# Allegro board C000PD020-3399PRO-DMEB-A-A01.brd (continued)
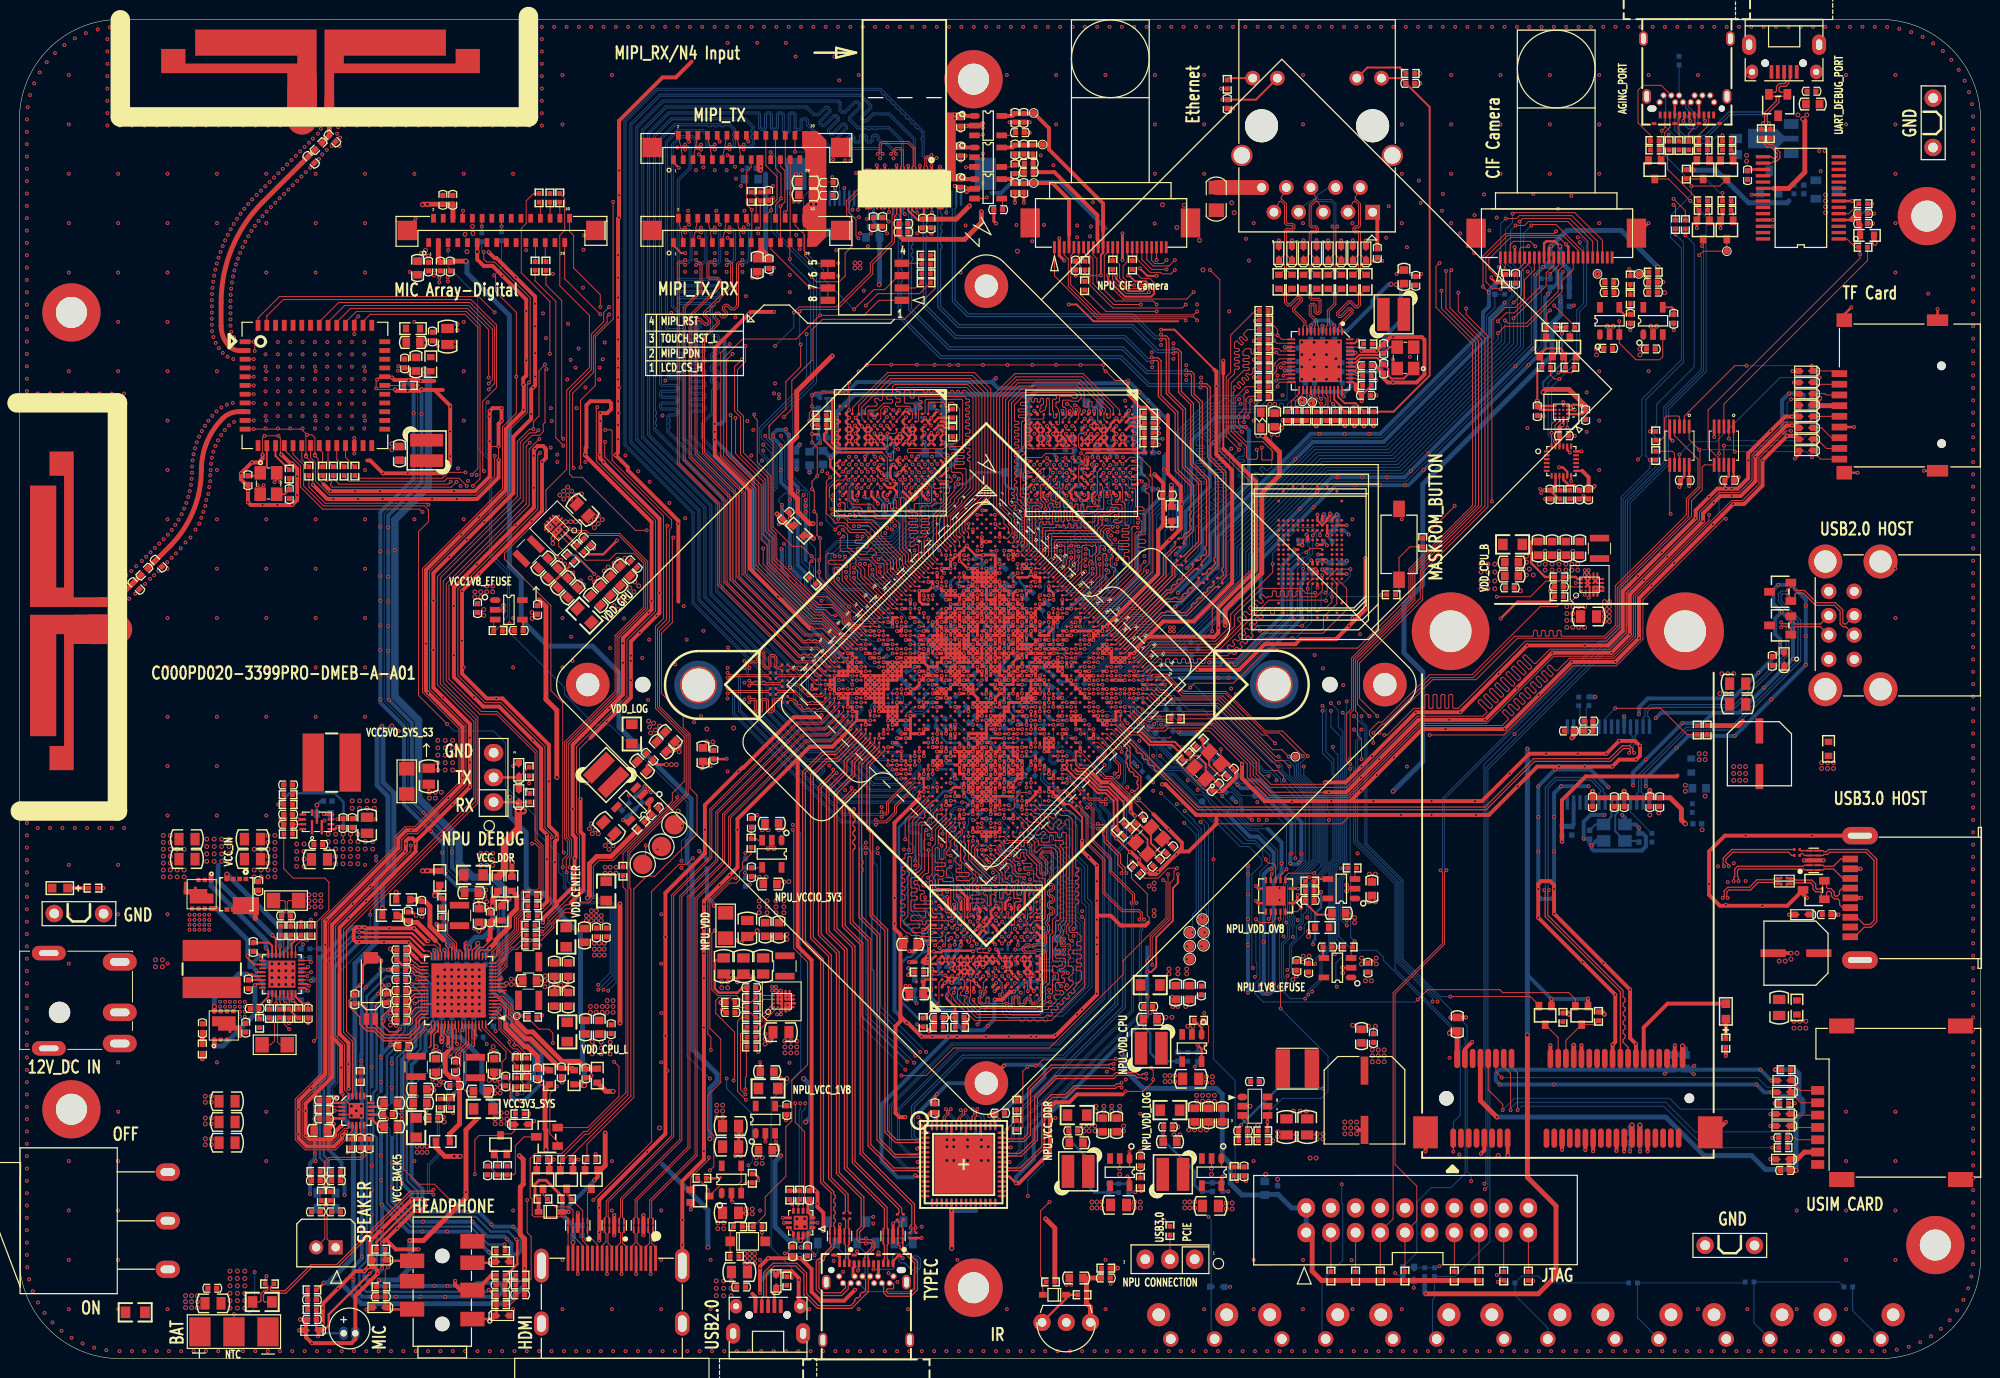
[diagram p0: board, top side]
## Placement (name value [footprint] x y rotation side) (continued)
R4102  10R  [R0402]  141.15 78.6 0 top
R4103  0R  [R0402]  144.4 83.98 90 top
R4600  22R  [R0402]  76.23 119.59 90 top
R4601  22R  [R0402]  75.31 119.59 270 top
R4700  33R  [R0402]  152.83 109.97 90 bottom
R4701  33R  [R0402]  156.59 110.68 90 bottom
R4702  10K  [R0402]  152.93 111.11 90 top
R4703  0R  [R0402]  168.12 111.8 0 top
R4704  0R  [R0402]  159.03 109.28 0 bottom
R4705  10K  [R0402]  165.75 109.03 90 top
R4706  15K  [R0402]  165.75 110.99 90 top
R4800  33R  [R0402]  114.53 112.53 90 top
R4801  33R  [R0402]  112.5 112.53 90 top
R4802  10K  [R0402]  109.65 112.48 90 top
R4804  0R  [R0402]  104.27 124.42 270 top
R4811  0R  [R0402]  109.6 110.4 270 top
R5102  0R  [R0402]  93.29 110.7 180 top
R5103  150K  [R0402]  93.29 111.62 180 top
R5104  0R  [R0402]  93.29 113.55 180 top
R5105  150K  [R0402]  93.29 112.63 180 top
R6105  22R  [R0402]  27.76 91.02 90 top
R6106  33R  [R0402]  33.41 91.32 270 top
R6107  33R  [R0402]  34.52 91.32 270 top
R6108  33R  [R0402]  32.3 91.32 270 top
R6109  33R  [R0402]  31.2 91.32 270 top
R6110  33R  [R0402]  29.78 91.32 270 top
R6111  33R  [R0402]  88.93 72.6 315 bottom
R6112  0.1R  [R0603]  40.5 105.99 0 top
R6113  0R  [R0402]  40.01 100.14 180 top
R6114  0.1R  [R0603]  42.33 102.32 90 top
R6500  0R  [R0603]  129.6 110.81 90 top
R6501  0R  [R0603]  130.95 110.81 90 top
R6502  0R  [R0603]  132.14 110.81 90 top
R6503  0R  [R0603]  133.49 110.81 90 top
R6504  0R  [R0603]  134.68 110.81 90 top
R6505  0R  [R0603]  136.03 110.81 90 top
R6506  0R  [R0603]  137.22 110.81 90 top
R6507  0R  [R0603]  138.57 110.81 90 top
R6508  510R  [R0402]  143.12 132.24 180 top
R6509  510R  [R0402]  124.28 131.13 90 top
R6510  22R  [R0402]  138.76 104.4 180 top
R6511  4.7K  [R0402]  128.04 106.87 180 top
R6512  4.7K  [R0402]  128.04 105.89 0 bottom
R6513  4.7K  [R0402]  139.33 96.99 270 top
R6514  4.7K  [R0402]  138.35 96.99 90 top
R6515  4.7K  [R0402]  137.37 96.99 270 top
R6516  4.7K  [R0402]  136.39 96.99 90 top
R6517  2.49K  [R0402]  138.66 101.15 0 top
R6518  4.7K  [R0402]  128.04 102.95 0 bottom
R6519  4.7K  [R0402]  128.04 102.95 180 top
R6520  4.7K  [R0402]  128.04 100.99 180 top
R6521  4.7K  [R0402]  128.04 101.97 0 bottom
R6522  4.7K  [R0402]  133.45 96.99 270 top
R6523  4.7K  [R0402]  134.43 96.99 90 top
R6524  4.7K  [R0402]  128.04 104.91 180 top
R6525  4.7K  [R0402]  128.04 103.93 0 bottom
R6526  4.7K  [R0402]  135.41 96.99 90 top
R6527  4.7K  [R0402]  128.04 100.99 0 bottom
R6528  0R  [R0402]  138.66 100.14 180 top
R6529  4.7K  [R0402]  128.04 104.91 0 bottom
R6530  4.7K  [R0402]  128.04 100.01 0 bottom
R6531  4.7K  [R0402]  128.04 99.02 0 bottom
R6532  4.7K  [R0402]  130.5 96.99 90 top
R6533  4.7K  [R0402]  131.48 96.99 90 top
R6534  1.5K  [R0402]  132.47 96.99 90 top
R6535  0R  [R0402]  128.04 105.89 180 top
R6536  0R  [R0402]  128.04 103.93 180 top
R6537  0R  [R0402]  128.04 101.97 180 top
R6538  0R  [R0402]  128.04 100.01 180 top
R6539  0R  [R0402]  128.04 99.02 180 top
R6540  0R  [R0402]  128.04 107.85 180 top
R7001  6.8K  [R0402]  49.52 5.55 0 top
R7003  100K  [R0402]  37.19 7.38 0 top
R7004  0R  [R0402]  49.52 11.08 180 top
R7005  0R  [R0402]  37.19 11.26 0 top
R7006  0R  [R0402]  49.52 8.58 180 top
R7007  100R  [R0402]  30.1 7.07 180 top
R7008  2.2K  [R0402]  30.1 5.04 0 top
R7010  2.2K  [R0402]  49.52 6.56 180 top
R7011  22R  [R0402]  51.52 8.58 180 top
R7012  10K  [R0402]  51.52 7.58 0 top
R7500  22R  [R0402]  47.57 115.38 270 bottom
R7501  22R  [R0402]  49.61 115.48 270 bottom
R7502  22R  [R0402]  53.06 112.43 270 top
R7503  22R  [R0402]  53.47 119.44 90 top
R7504  22R  [R0402]  54.18 112.43 270 top
R7505  0R  [R0402]  54.58 119.44 90 top
R7510  10K  [R0402]  35.07 29.03 270 top
R7511  10K  [R0402]  34.09 22.14 90 top
R7512  10K  [R0402]  31.33 25.64 0 top
R7513  100K  [R0402]  31.07 16.71 90 top
R7514  100K  [R0402]  32 16.71 90 top
R7516  4.7K  [R0402]  30.5 19.25 180 top
R7517  4.7K  [R0402]  32.58 19.25 180 top
R8201  4.7K  [R0402]  56.31 20.48 180 top
R8202  1.5K  [R0402]  56.31 16.42 0 top
R8203  4.7K  [R0402]  53.87 20.48 180 top
R8204  1.5K  [R0402]  53.87 16.42 0 top
R8205  27K  [R0402]  58.85 20.48 180 top
R8301  22R  [R0402]  147.55 22.72 270 bottom
R8302  47K  [R0402]  162.48 35.22 270 top
R8303  470R  [R0402]  175.59 32.47 90 top
R8304  47K  [R0402]  158.83 35.11 270 top
R8305  150K  [R0402]  125.91 22.41 0 top
R8306  15K  [R0402]  181.58 26.27 0 top
R8307  100K  [R0402]  181.79 29.73 0 top
R8308  DNP  [R0402]  181.48 21.7 0 top
R8309  100K  [R0402]  127.94 23.43 180 top
R8310  33K  [R0402]  127.94 22.41 0 top
R9004  0R  [R0402]  159.54 88.91 270 top
R9005  10K  [R0402]  158.52 88.91 90 top
R9006  10R  [R0402]  111.79 9.31 180 top
R9014  10K  [R0402]  109.35 6.56 180 top
R9020  10K  [R0402]  106.1 7.88 180 top
R9100  22R  [R0402]  118.94 65.84 0 top
R9427  4.7K  [R0402]  159.54 102.02 0 top
R9428  4.7K  [R0402]  159.59 106.13 0 top
R9429  4.7K  [R0402]  157.1 102.02 0 top
R9430  4.7K  [R0402]  157.61 106.13 180 top
R9600  10K  [R0402]  49.25 74.92 0 top
R9601  10K  [R0402]  136.73 42.35 180 top
R9700  0R  [R0402]  189.71 114.36 180 top
R9701  0R  [R0402]  189.71 118.83 180 top
R9702  0.1R  [R0603]  190.12 115.58 180 top
R9708  22R  [R0402]  180.16 126.05 90 top
R9709  22R  [R0402]  179.25 126.05 90 top
R9710  100K  [R0402]  182.6 120.3 270 bottom
R9711  10K  [R0402]  171.53 121.88 270 top
R9712  5.1K  [R0402]  171.78 124.83 270 top
R9713  5.1K  [R0402]  170.78 133.56 90 bottom
R9714  5.6K  [R0402]  170.77 124.83 270 top
R9715  0R  [R0402]  168.38 94.96 90 top
R9716  47K  [R0402]  173.25 124.37 180 top
R9717  0R  [R0402]  168.38 92.92 270 top
R9718  2.2K  [R0402]  168.28 125.33 0 top
R9719  2.2K  [R0402]  175.69 125.33 0 top
R9720  2.2K  [R0402]  173.25 119.14 0 top
R9721  2.2K  [R0402]  175.69 119.14 0 top
R9722  47K  [R0402]  168.28 124.37 180 top
R9723  2.2K  [R0402]  169.75 124.83 270 top
R9724  2.2K  [R0402]  173.25 125.33 0 top
R9725  47K  [R0402]  175.69 124.37 180 top
R9726  47K  [R0402]  173.25 118.17 180 top
R9727  47K  [R0402]  175.69 118.17 180 top
R9728  10K  [R0402]  134.95 8.49 90 top
R9729  10K  [R0402]  137.49 8.49 90 top
R9730  10K  [R0402]  140.03 8.49 90 top
R9731  10K  [R0402]  142.57 8.49 90 top
R9732  10K  [R0402]  147.65 8.49 90 top
R9733  10K  [R0402]  150.19 8.49 90 top
R9734  10K  [R0402]  152.73 8.49 90 top
R9735  10K  [R0402]  155.27 8.49 90 top
R9736  0R  [R0402]  171.42 116.7 90 top
R9737  0R  [R0402]  170.41 116.7 90 top
R9812  0R  [R0201]  78.77 67.52 180 top
R9813  0R  [R0201]  78.77 68.13 180 top
R9814  0R  [R0201]  77.55 68.34 180 top
R9815  0R  [R0201]  77.55 68.95 180 top
R9816  0R  [R0201]  77.55 69.96 180 top
R9817  0R  [R0201]  77.55 70.57 180 top
R9818  0R  [R0201]  78.77 70.78 180 top
R9819  0R  [R0201]  78.77 71.38 180 top
R9820  0R  [R0201]  78.77 69.15 180 top
R9821  0R  [R0201]  78.77 69.76 180 top
R9822  4.7K  [R0402]  94.77 65.03 180 bottom
R9823  4.7K  [R0402]  94.77 65.9 180 bottom
R9824  1R  [R0201]  94.89 61.99 0 bottom
R9825  1R  [R0201]  96.04 60.92 90 bottom
R9826  10K  [R0402]  102.64 24.04 90 top
R9827  10K  [R0402]  102.64 26.07 270 top
R9828  10K  [R0402]  118.39 13.17 90 top
R9829  1R  [R0201]  102.74 59.9 45 bottom
R9830  1R  [R0201]  103.35 59.6 45 bottom
S2000  KCD1-11-3P-W  [SW3_KCD1-11-3P-W]  15.27 14.18 270 top
S5100  Dial_Switch_4  [SW8_5R68X5R40X2R30]  87 110.81 90 top
SW1500  VOL+/RECOVERY  [ST-1102V]  143.59 3.26 0 bottom
SW1501  VOL-  [ST-1102V]  155.02 3.26 0 bottom
SW1502  HOME  [ST-1102V]  166.45 3.26 0 bottom
SW1503  MENU  [ST-1102V]  177.88 3.26 0 bottom
SW1504  ESC  [ST-1102V]  189.31 3.26 0 bottom
SW2100  RESET  [ST-1102V]  132.16 3.26 0 bottom
SW2101  PWRON  [ST-1102V]  120.73 3.26 0 bottom
SW4100  TS-1125HS  [SW2_6R00X3R70X2R50]  141.96 87.44 180 top
TP1100  TP_0.7  [TP_0R70]  175.69 113.96 180 top
TP1102  TP_0.5  [TP_0R50]  115.65 67.52 180 bottom
TP1103  TP_0.5  [TP_0R50]  114.94 67.83 180 bottom
TP1301  TP_0.7  [TP_0R70]  131.29 61.94 45 top
TP1302  TP_0.7  [TP_0R70]  127.15 57.92 135 bottom
TP1303  TP_0.7  [TP_0R70]  121.69 57.34 135 bottom
TP1304  TP_0.7  [TP_0R70]  122.48 58.38 180 bottom
TP1404  TP_0.5  [TP_0R50]  94.41 67.02 180 bottom
TP1407  TP_0.5  [TP_0R50]  106.5 60.41 90 bottom
TP1800  TP_0.5  [TP_0R70]  132.03 98.51 0 top
TP1801  TP_0.5  [TP_0R70]  133.02 98.41 0 top
TP2001  TP_0.7  [TP_0R70]  30.2 38.97 180 bottom
TP2100  TP_0.5  [TP_0R50]  51.18 35.24 270 top
TP2101  TP_0.5  [TP_0R50]  44.3 31.12 0 bottom
TP2102  TP_0.5  [TP_0R50]  38.94 34.81 90 bottom
TP4612  TP_0.5  [TP_0R50]  93.5 65.09 180 bottom
TP4717  TP_0.7  [TP_0R70]  166.65 111.62 90 top
TP4718  TP_0.7  [TP_0R70]  162.38 111.62 90 top
TP4814  TP_0.7  [TP_0R70]  105.28 124.93 0 top
TP4817  TP_0.7  [TP_0R70]  104.37 128.18 0 top
TP4818  TP_0.7  [TP_0R70]  104.37 120.97 0 top
TP9700  TP_1.0  [TP_1R00]  121.84 42.53 0 top
TP9701  TP_1.0  [TP_1R00]  121.74 45.17 0 top
TP9702  TP_1.0  [TP_1R00]  120.42 42.43 0 top
TP9703  TP_1.0  [TP_1R00]  121.84 43.85 0 top
TP9704  TP_1.0  [TP_1R00]  120.42 43.85 0 top
TP9705  TP_1.0  [TP_1R00]  120.42 41.11 0 top
TP9709  TP_2.0  [TP_2R00]  64.14 50.86 270 top
TP9710  TP_2.0  [TP_2R00]  66.07 52.69 270 top
TP9711  TP_2.0  [TP_2R00]  67.39 54.93 270 top
TP9712  TP_0.5  [TP_0R50]  100.3 64.53 180 bottom
TP9713  TP_0.5  [TP_0R50]  90.45 63.16 180 bottom
U1000  RK3399PRO  [BGA1372_64R00X64R00X58R15_S]  99.49 69.35 225 top
U1300  UM3304Q  [QFN14_3R50X3R50X0R80_T]  129.26 47.61 270 top
U2000  DCDC_NB679  [QFN12_2R00X3R00X1R00]  30.61 55.23 90 top
U2003  BQ25703  [QFN32_4R00X4R00X1R00_T]  27.01 39.56 90 top
U2102  HD3SS215RTQR  [QFN56_8R00X8R00X1R00_T]  97.16 19.98 0 top
U2200  TCS4525  [WLCSP20_2R00X1R60X0R66]  161.57 79.61 90 top
U2201  TCS4526  [WLCSP20_2R00X1R60X0R66]  55.34 85.43 225 top
U2202  SY8088AAC  [SOT_23_5]  121.64 33.36 270 top
U2203  SY8089AAC  [SOT_23_5]  123.67 20.58 270 top
U2204  LP3983SAB5F-08  [SOT_23_5]  137.43 47.35 180 top
U2205  SY8089AAC  [SOT_23_5]  114.22 20.58 270 top
U2206  TCS4525  [WLCSP20_2R00X1R60X0R66]  78.44 36.76 90 top
U2207  RT9193-18GB  [SOT_23_5]  75.76 23.18 90 top
U2208  RT9193-33GB  [SOT_23_5]  78.42 53.34 270 top
U2209  SY8089AAC  [SOT_23_5]  64.82 57.33 225 top
U2506  ESD5304D  [SON10_2R50X1R00X0R50]  184.63 51.27 90 top
U2600  FUSB302BMPX  [MLP14_2R50X2R50X0R80]  80.39 13.98 180 top
U2601  ESD5304D  [SON10_2R50X1R00X0R50]  84.39 12.61 180 top
U2602  ESD5304D  [SON10_2R50X1R00X0R50]  89.89 12.61 180 top
U2603  ESD5302F  [SOT_23]  83.11 12.99 180 bottom
U2604  ESD5302F  [SOT_23]  90.98 12.99 180 bottom
U2605  ESD5302F  [SOT_23]  87.14 12.99 180 bottom
U2606  SY6280CAA  [SOT_23_5]  72.26 17.03 90 top
U2800  GL852G  [SSOP28_10R20X5R30X2R00]  163.5 61.12 180 bottom
U3100  K4E6E304EC -EGCF  [FBGA178_13R00X11R50X1R20]  99.49 42.21 90 top
U3600  K4E6E304EC -EGCF  [FBGA178_13R00X11R50X1R20]  109.31 93.16 270 top
U3601  K4E6E304EC -EGCF  [FBGA178_13R00X11R50X1R20]  89.61 93.21 270 top
U4100  KLMAG2GEAC-B031  [BGA169_18R00X14R00X1R20_2L]  132.82 82.99 180 top
U4700  RT9193-28GB  [SOT_23_5]  167.1 105.38 90 top
U4701  RT9193-18GB  [SOT_23_5]  162.63 105.38 90 top
U4800  RT9193-28GB  [SOT_23_5]  98.27 127.87 0 top
U4801  RT9193-18GB  [SOT_23_5]  98.27 121.37 0 top
U4817  RT9193-15GB  [SOT_23_5]  98.27 124.62 0 top
U6100  AP6398S  [MD44_AP6XXX_13RX15RX1R5]  30.4 100.14 270 top
U6500  RTL8211E-VB-CG  [QFN48_6R00X6R00X1R00_T]  133.88 102.68 180 top
U7500  ES7243  [QFN20_3R00X3R00X0R85_T]  34.67 25.51 0 top
U8200  ESD5304D  [SON10_2R50X1R00X0R50]  57.46 13.7 180 top
U8201  ESD5304D  [SON10_2R50X1R00X0R50]  64.21 13.7 180 top
U8202  ESD5304D  [SON10_2R50X1R00X0R50]  61.21 13.7 180 top
U8300  SY8113B  [SOT_23_6]  127.13 25.97 0 top
U9000  MPU6500  [QFN24_3R00X3R00X0R90]  158.67 92.35 0 top
U9001  AK8963C  [BGA14_1R59X1R59X0R57]  158.68 97.52 180 top
U9002  IRM_3638  [IJ3_IRM_3638]  107.72 3.72 0 top
U9600  PT5108E23E-18  [SOT_23_5]  48.95 78.05 0 top
U9601  PT5108E23E-18  [SOT_23_5]  137.02 39.22 180 top
U9700  FT232RL  [SSOP28_10R20X5R30X2R00]  183.31 119.44 90 top
U9701  ESD5302F  [SOT_23]  180.98 128.99 180 top
U9702  FSUSB30MUX  [MSOP10_3R00X3R00X1R10]  175.39 93.94 180 top
U9703  SGM2203-5.0  [SOT_89_3]  180.47 125.54 270 bottom
U9704  FSUSB30MUX  [MSOP10_3R00X3R00X1R10]  170.82 93.94 180 top
U9705  HD3SS215RTQR  [QFN56_8R00X8R00X1R00_T]  97.16 19.98 180 bottom
U?  PMIC_RK809  [QFN68_7R00X7R00X0R80_T]  45.19 37.88 180 top
Y1100  24MHz  [CRY4_3R20X2R50X0R80]  122.25 61.02 45 top
Y1101  24MHz  [CRY4_3R20X2R50X0R80]  116.26 53.3 225 top
Y2100  32.768KHz  [CRY2_6R90X1R40X1R30]  36.14 38.39 90 top
Y2800  12MHz  [CRY4_3R20X2R50X0R80]  164.11 54.11 180 bottom
Y6100  37.4MHz  [CRY4_3R20X2R50X0R80]  25.63 90.05 270 top
Y6500  25MHz  [CRY4_3R20X2R50X0R80]  142.62 102.98 90 top

## Library data of the parts
ANT6101 ANT6103 = ANT_1P1G
BT2000 = BATT3
C1000-C1073 C1080 C1100-C1120 C1130 C1200-C1235 C1300 C1301 C1303 C1304 C1400-C1407 C1416-C1419 C1430 C1431 C1433 C1500-C1505 C1507 C1600-C1602 C1700-C1704 C1713 C1714 C1722 C1723 C1900-C1903 C2000-C2002 C2005 C2006 C2009-C2015 C2019-C2022 C2024-C2038 C2040 C2045-C2050 C2052 C2100-C2145 C2150 C2155 C2156 C2200-C2223 C2226-C2234 C2237-C2240 C2242 C2243 C2248-C2250 C2256 C2257 C2260 C2261 C2270 C2271 C2273-C2282 C2500 C2501 C2600 C2601 C2606-C2615 C2800 C2801 C2803-C2810 C2814-C2818 C3100-C3127 C3600-C3653 C4100-C4105 C4600-C4606 C4700-C4711 C4720 C4721 C4723 C4802-C4804 C4806-C4811 C4820 C4821 C4823 C4845-C4847 C5002-C5005 C5100-C5107 C6100-C6113 C6500-C6522 C7000-C7006 C7500-C7507 C7510-C7519 C8200 C8201 C8302-C8310 C8312-C8315 C9000-C9005 C9020 C9021 C9100 C9101 C9600-C9606 C9700-C9704 C9707-C9710 C9730 C9731 C9926 C9933 C9934 C9939-C9943 = CAP NP
C1420-C1423 C1705-C1712 C2506 C2507 C2602-C2605 C5000 C5001 C9927-C9932 = CAP NP: signal model: CAP_NP_C0201_100NF_100nF
C2510 C2802 C8311 = CAP
D2100 = DIODE Double
D6500-D6507 D9100 ED1300 ED1301 ED1500 ED2100 ED2101 ED2500 ED2600 ED2802 ED7000-ED7004 ED8300-ED8304 ED9100-ED9106 = DIODE BI_DIR TRIG
D8200 D9000 = DIODE
D8901 = DIODE ZENER1
ED2501 ED2800 ED2801 U2603-U2605 U9701 = ESD_ESDA6V8UL
FB1400 R1000 R1100-R1103 R1105-R1108 R1110 R1120-R1126 R1130 R1131 R1200 R1203-R1205 R1207 R1225 R1300 R1307 R1308 R1400-R1403 R1410 R1418 R1420-R1422 R1500-R1506 R1508 R1509 R1512-R1514 R1700-R1704 R1706 R1708-R1710 R1900 R1901 R1903 R2000-R2004 R2011 R2014 R2015 R2019 R2020 R2022-R2028 R2030 R2031 R2035 R2037 R2040-R2045 R2100-R2128 R2130 R2131 R2150 R2151 R2155 R2160 R2161 R2200-R2209 R2211-R2222 R2225 R2227 R2230 R2233 R2250 R2251 R2253-R2255 R2270-R2272 R2501 R2600-R2602 R2606 R2607 R2609 R2611-R2615 R2630 R2800-R2803 R2805-R2808 R3100-R3110 R3600-R3611 R3650 R4101-R4103 R4600 R4601 R4700-R4706 R4800-R4802 R4804 R4811 R5102-R5105 R6105 R6112-R6114 R6508 R6509 R6511-R6534 R7001 R7003-R7008 R7010-R7012 R7500-R7505 R7510-R7514 R7516 R7517 R8201-R8205 R8301-R8310 R9004-R9006 R9014 R9020 R9427-R9430 R9600 R9601 R9700-R9702 R9708-R9737 R9822-R9830 = RESISTOR
FB2100 FB2101 FB2800 FB2801 = BEAD
FB2500 = INDUCTOR COM
GND001 GND002 GND003 = GND_GATE
H1-H6 = Hole
J001 = Radiator
J1300 J9711 = CON3_1X3
J2000 = DCJACK_3P
J2501 = USB30_TYPE_A
J2600 J9702 = USB31_TYPE_C
J2601 J9701 = USB20_MICRO
J2800 = CON4_0
J4600 = CMK-CB0077-FV1_2
J4700 J4800 = LCM0200CE1A0_1
J5000 = LCD_Hitachi_TX05D99VM1AAA_6
J5100 = FPC_MIPI/LVDS_2
J5101 = LCD_Hitachi_TX05D99VM1AAA_10
J6500 = HR911130C_1
J7000 = PHONEJACK_2
J7001 = CON2_1X2
J7500 = LCD_Hitachi_TX05D99VM1AAA_1
J8200 = HDMI_A
J8300 = PCIE_MINI_PCIE_0
J8301 = SIM CARD_0
J9100 = TFCARD_SOCKET
J9710 = JTAG_ARM
L1100 L2002 L2100-L2104 L2200-L2205 L2208 L6100 L6501 L8300 = INDUCTORS OF FERRITE
L6500 = INDUCTOR
LED2002 LED8300 = LED
MIC7000 = MIC
Q2002 Q2003 = MOSFET D N 9L_1
Q2004 = MOSFET N 8L1_0
Q2100 Q2600 Q8200-Q8202 Q8300 Q8301 Q9404 Q9405 Q9702-Q9706 = MOSFET N
Q9700 Q9701 = MOSFET P
R1201 R1202 R6535-R6540 = RESISTOR: signal model: RESISTOR_R0402_0R_0R
R1406 R1407 R2500 R2503 = RESISTOR: signal model: RESISTOR_R0201_2.2R_2.2R
R4100 R6510 R9100 = RESISTOR: signal model: RESISTOR_R0402_22R_22R
R6106-R6111 = RESISTOR: signal model: RESISTOR_R0402_33R_33R
R6500-R6507 = RESISTOR: signal model: RESISTOR_R0603_0R_0R
R9812-R9821 = RESISTOR: signal model: RESISTOR_R0201_0R_0R
S2000 = PSW3_B
S5100 = Dial_Switch_4
SW1500-SW1504 SW2100 SW2101 = KEY_0
SW4100 = KEY_2PIN
TP1100 TP1102 TP1103 TP1301-TP1304 TP1404 TP1407 TP1800 TP1801 TP2001 TP2100-TP2102 TP4612 TP4717 TP4718 TP4814 TP4817 TP4818 TP9700-TP9705 TP9709-TP9713 = TP
U1000 = SOCKET_RK3399PRO
U1300 = UM3304Q
U2000 = DCDC_NB679
U2003 = Charger_BQ25700
U2102 U9705 = SWITCH_HD3SS215_QFN56
U2200 U2206 = DCDC_SY827
U2201 = DCDC_SY837
U2202 U2203 U2205 U2209 = DCDC_SY8088
U2204 = LDO_TT2102
U2207 U2208 U4700 U4701 U4800 U4801 U4817 U9600 U9601 = LDO_PT5108
U2506 U2601 U2602 U8200-U8202 = ESD_ESD5304D
U2600 = USB_FUSB302B
U2606 = SWITCH_SY6280
U2800 = GLI8024-48_0
U3100 U3600 U3601 = LPDDR3_32bit_178p
U4100 = INAND_EMMC_169_2L
U6100 = MODULE_AP6354
U6500 = Ethernet_RTL8211
U7500 = ES7243
U8300 = DCDC_SY8113
U9000 = Sensor_MPU6500
U9001 = Sensor_AK8963C
U9002 = IR_FT_009
U9700 = Interface_FT232RL
U9702 U9704 = SWITCH_FSUSB30MUX: signal model: SWITCH_FSUSB30MUX_MSOP10_3R00X3_FSUSB30MUX
U9703 = LDO_PT5108_1
U? = PMIC_RK809
Y1100 Y1101 Y2800 Y6100 Y6500 = CRYSTAL_4P
Y2100 = CRYSTAL_2P_1G

## Footprints (pads in the part's own frame, mm; a bottom-side part is the same pattern mirrored in y, then rotated)
ANTPCB_44R00X11R00_DSR
  rect 1.001x1.001 smd: 1(2.8,-1.25)
  rect 3x3.5 smd: 2(0,0)
BAT3_2R54
  rect 2.2x3 smd: 1(-3.5,0) 2(0,0) 3(3.5,0)
BGA14_1R59X1R59X0R57
  round 0.249 smd: A1(-0.591,0.697) A2(-0.191,0.697) A3(0.209,0.697) A4(0.609,0.697) B1(-0.591,0.297) B3(0.209,0.297) B4(0.609,0.297) C1(-0.591,-0.103) C2(-0.191,-0.103) C3(0.209,-0.103) C4(0.609,-0.103) D1(-0.591,-0.503) D2(-0.191,-0.503) D4(0.609,-0.503)
BGA169_18R00X14R00X1R20_2L
  round 0.3 smd: A4(-1.75,6.751) A6(-0.749,6.751) A9(0.749,6.751) A11(1.75,6.751) AA1(-3.251,-3.251) AA2(-2.751,-3.251) AA3(-2.25,-3.251) AA4(-1.75,-3.251) AA5(-1.25,-3.251) AA6(-0.749,-3.251) AA7(-0.249,-3.251) AA8(0.249,-3.251) AA9(0.749,-3.251) AA10(1.25,-3.251) AA11(1.75,-3.251) AA12(2.25,-3.251) AA13(2.751,-3.251) AA14(3.251,-3.251) AE1(-3.251,-5.25) AE14(3.251,-5.25) AG2(-2.751,-6.251) AG13(2.751,-6.251) AH4(-1.75,-6.751) AH6(-0.749,-6.751) AH9(0.749,-6.751) AH11(1.75,-6.751) B2(-2.751,6.251) B13(2.751,6.251) D1(-3.251,5.25) D14(3.251,5.25) H2(-2.751,3.251) H3(-2.25,3.251) H4(-1.75,3.251) H5(-1.25,3.251) H6(-0.749,3.251) H7(-0.249,3.251) H8(0.249,3.251) H9(0.749,3.251) H10(1.25,3.251) H11(1.75,3.251) H12(2.25,3.251) H13(2.751,3.251) H14(3.251,3.251) J1(-3.251,2.751) J2(-2.751,2.751) J3(-2.25,2.751) J4(-1.75,2.751) J5(-1.25,2.751) J6(-0.749,2.751) J7(-0.249,2.751) J8(0.249,2.751) J9(0.749,2.751) J10(1.25,2.751) J11(1.75,2.751) J12(2.25,2.751) J13(2.751,2.751) J14(3.251,2.751) K1(-3.251,2.25) K2(-2.751,2.25) K3(-2.25,2.25) K4(-1.75,2.25) K6(-0.749,2.25) K7(-0.249,2.25) K8(0.249,2.25) K9(0.749,2.25) K10(1.25,2.25) K11(1.75,2.25) K12(2.25,2.25) K13(2.751,2.25) K14(3.251,2.25) L1(-3.251,1.75) L2(-2.751,1.75) L3(-2.25,1.75) L4(-1.75,1.75) L12(2.25,1.75) L13(2.751,1.75) L14(3.251,1.75) M1(-3.251,1.25) M2(-2.751,1.25) M3(-2.25,1.25) M5(-1.25,1.25) M6(-0.749,1.25) M7(-0.249,1.25) M8(0.249,1.25) M9(0.749,1.25) M10(1.25,1.25) M12(2.25,1.25) M13(2.751,1.25) M14(3.251,1.25) N1(-3.251,0.749) N2(-2.751,0.749) N3(-2.25,0.749) N5(-1.25,0.749) N10(1.25,0.749) N12(2.25,0.749) N13(2.751,0.749) N14(3.251,0.749) P1(-3.251,0.249) P2(-2.751,0.249) P3(-2.25,0.249) P5(-1.25,0.249) P10(1.25,0.249) P12(2.25,0.249) P13(2.751,0.249) P14(3.251,0.249) R1(-3.251,-0.249) R2(-2.751,-0.249) R3(-2.25,-0.249) R5(-1.25,-0.249) R10(1.25,-0.249) R12(2.25,-0.249) R13(2.751,-0.249) R14(3.251,-0.249) T1(-3.251,-0.749) T2(-2.751,-0.749) T3(-2.25,-0.749) T5(-1.25,-0.749) T10(1.25,-0.749) T12(2.25,-0.749) T13(2.751,-0.749) T14(3.251,-0.749) U1(-3.251,-1.25) U2(-2.751,-1.25) U3(-2.25,-1.25) U5(-1.25,-1.25) U6(-0.749,-1.25) U7(-0.249,-1.25) U8(0.249,-1.25) U9(0.749,-1.25) U10(1.25,-1.25) U12(2.25,-1.25) U13(2.751,-1.25) U14(3.251,-1.25) V1(-3.251,-1.75) V2(-2.751,-1.75) V3(-2.25,-1.75) V12(2.25,-1.75) V13(2.751,-1.75) V14(3.251,-1.75) W1(-3.251,-2.25) W2(-2.751,-2.25) W3(-2.25,-2.25) W4(-1.75,-2.25) W5(-1.25,-2.25) W6(-0.749,-2.25) W7(-0.249,-2.25) W8(0.249,-2.25) W9(0.749,-2.25) W10(1.25,-2.25) W11(1.75,-2.25) W12(2.25,-2.25) W13(2.751,-2.25) W14(3.251,-2.25) Y1(-3.251,-2.751) Y2(-2.751,-2.751) Y3(-2.25,-2.751) Y4(-1.75,-2.751) Y5(-1.25,-2.751) Y6(-0.749,-2.751) Y7(-0.249,-2.751) Y8(0.249,-2.751) Y9(0.749,-2.751) Y10(1.25,-2.751) Y11(1.75,-2.751) Y12(2.25,-2.751) Y13(2.751,-2.751) Y14(3.251,-2.751)
BGA1372_64R00X64R00X58R15_S
  round 1.6 hole 1.6 unplated: (-25,25) (25,-25)
  round 4.5 hole 2.4: 1(-29,-29) 2(29,-29) 3(29,29) 4(-29,29)